# KiCad board Teensy_Grovebox.kicad_pcb (continued)
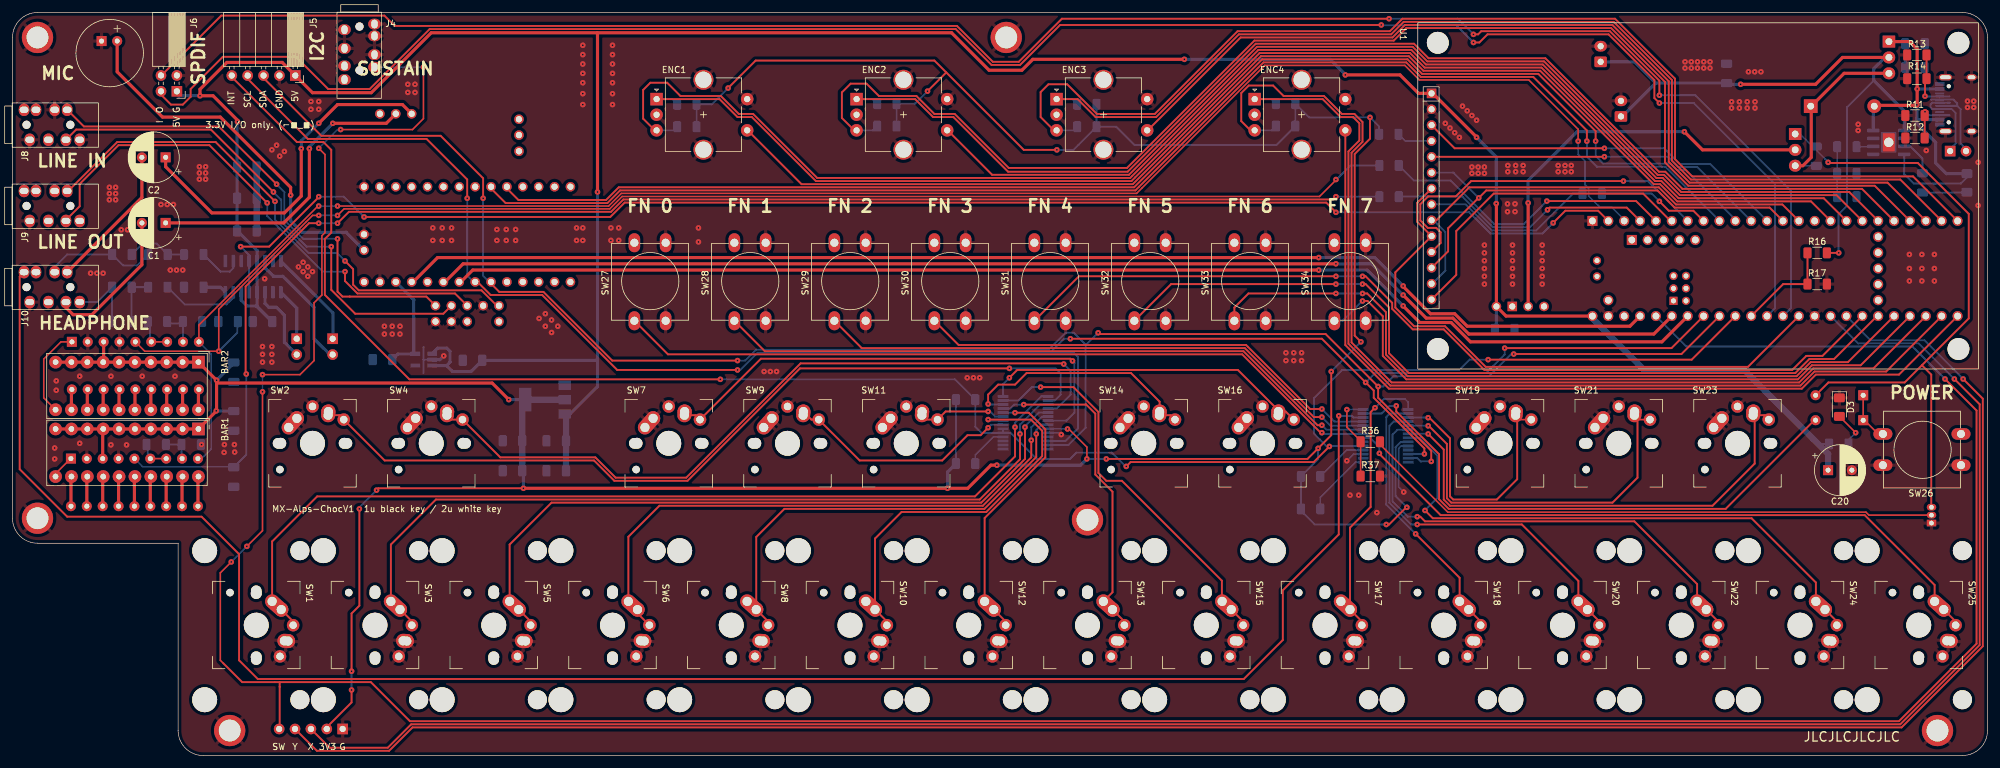
[diagram p0: board, top side]
## Routing (per net, layer and track width the routed paths; a pad name or vN(x,y) marks a point on that pad's centre or on a via; arc(x,y) is an arc through that point) (continued)
Net-(SW7-Pad1): length 79.7
  Top w0.3: v1(169.6,63.2) 169.25,63.55 119.75,63.55 SW7.1 109.3,54.5 SW7.1
  Bottom w0.3: v1(169.6,63.2) 169.9,62.9 169.9,54.9 168.62,53.62 U5.7
Net-(SW8-Pad1): length 71.6
  Top w0.3: v1(163.8,51.5) 163.8,47.8 155.5,39.5 123.5,39.5 119,35 SW8.1 120.9,21.47 SW8.1
  Bottom w0.3: v1(163.8,51.5) 163.8,52.1 164.68,52.97 U5.8
Net-(SW9-Pad1): length 37.6
  Top w0.3: v1(156.1,52.5) 154.9,51.3 152.8,51.3 148.75,47.25 135.55,47.25 SW9.1 127.82,53.8 SW9.1
  Bottom w0.3: v1(156.1,52.5) 156.57,52.97 U5.21
Net-(SW10-Pad1): length 62.8
  Top w0.3: v1(156.1,53.8) 162.95,53.8 164.75,52 164.75,47.95 155.8,39 142.25,39 138,34.75 SW10.1 139.9,21.47 SW10.1
  Bottom w0.3: U5.22 156.28,53.62 v1(156.1,53.8)
Net-(SW11-Pad1): length 14.2
  Top w0.3: v1(156.1,55.1) 149.3,55.1 SW11.1 146.2,53.8 SW11.1
  Bottom w0.3: U5.23 157.22,54.28 156.4,55.1 v1(156.1,55.1)
Net-(SW12-Pad1): length 42.7
  Top w0.3: SW12.1 158.9,21.47 SW12.1 ; SW12.1 155.54,38.03 165.25,47.74 165.25,52.25 162.6,54.9 v1(160.4,54.9)
  Bottom w0.3: v1(160.4,54.9) 158.53,54.9 U5.24
Net-(SW13-Pad1): length 50.7
  Top w0.3: SW13.1 176,26.14 176,42.25 173.25,45 173.25,54.75 171.75,56.25 171.7,56.2 v1(161.8,56.2) ; SW13.1 177.9,21.47 SW13.1
  Bottom w0.3: U5.25 159.65,55.57 160.27,56.2 v1(161.8,56.2)
Net-(SW14-Pad1): length 39.1
  Top w0.3: v1(156.1,56.3) 156.1,57.8 157.7,59.4 160.4,59.4 162.25,61.25 178.96,61.25 183.54,56.67 SW14.1 ; SW14.1 185.3,54.5 SW14.1
  Bottom w0.3: 158.5,56.22 156.18,56.22 v1(156.1,56.3)
Net-(SW15-Pad1): length 62.1
  Top w0.3: 193.54,25.71 SW15.1 193.54,25.67 193.5,25.71 193.5,28 177.5,44 175,44 173.75,45.25 173.75,55 169.75,59 v1(164.5,59) ; SW15.1 196.9,21.47 SW15.1
  Bottom w0.3: U5.27 160.97,56.88 163.1,59 v1(164.5,59)
Net-(SW16-Pad1): length 53.4
  Top w0.3: SW16.1 202.5,55.31 196.06,61.75 160.75,61.75 v1(159.5,60.5) ; SW16.1 203.72,55.08 SW16.1
  Bottom w0.3: U5.28 158.5,59.5 v1(159.5,60.5)
Net-(SW17-Pad1): length 44.5
  Top w0.3: v1(218,55.7) 217.3,55 217.3,39.8 214,36.5 SW17.1 215.9,21.47 SW17.1
  Bottom w0.25: v1(218,55.7) 219.4,57.1 222.8,57.1 223.3,56.6 U4.1
Net-(SW18-Pad1): length 41.4
  Top w0.3: v1(224.5,35.5) 231.54,28.46 SW18.1 ; SW18.1 234.9,21.47 SW18.1
  Bottom w0.3: v1(224.5,35.5) 219.8,40.2 219.8,54.2 220.38,54.78 223.3,54.78
Net-(SW19-Pad1): length 42.8
  Top w0.25: SW19.1 241.2,53.8 SW19.1
  Top w0.3: v1(226.5,54.1) 226.7,54.1 230,50.8 230,41.5 230.5,41 237.5,41 240.75,44.25 240.75,54.25 SW19.1
  Bottom w0.3: U4.3 226.48,54.12 v1(226.5,54.1)
Net-(SW20-Pad1): length 57.6
  Top w0.3: SW20.1 250.54,27.96 241.5,37 224.75,37 v1(224.75,37) ; SW20.1 253.9,21.47 SW20.1
  Bottom w0.3: v1(224.75,37) 223.79,37 220.3,40.49 220.3,52.8 220.98,53.47 U4.4
Net-(SW21-Pad1): length 61.6
  Top w0.25: SW21.1 260.2,53.8 SW21.1
  Top w0.3: v1(226.5,52.8) 226.6,52.8 229.5,49.9 229.5,41.21 230.21,40.5 256,40.5 260,44.5 260,54 SW21.1
  Bottom w0.3: U4.5 226.48,52.82 v1(226.5,52.8)
Net-(SW22-Pad1): length 73.8
  Top w0.3: SW22.1 272.9,21.47 SW22.1 ; v1(224.75,38.25) 225.25,38.25 226,37.5 259.5,37.5 269.54,27.46 SW22.1
  Bottom w0.3: v1(224.75,38.25) 223.25,38.25 220.8,40.7 220.8,51.4 221.57,52.18 223.3,52.18
Net-(SW23-Pad1): length 78.3
  Top w0.3: v1(226.5,51.5) 229,49 229,41 230,40 272,40 278.75,46.75 278.75,54.25 SW23.1 280.3,54.5 SW23.1
  Bottom w0.3: U4.7 226.48,51.53 v1(226.5,51.5)
Net-(SW24-Pad1): length 89.1
  Top w0.3: v1(226,39.25) 227.25,38 278.25,38 288.54,27.71 SW24.1 ; SW24.1 291.9,21.47 SW24.1
  Bottom w0.3: U4.8 225.12,50.88 228,48 228,41.25 v1(226,39.25)
Net-(SW25-Pad1): length 107.8
  Top w0.3: SW25.1 307.54,27.31 296.35,38.5 228.5,38.5 218.7,48.3 v1(218.7,48.4) ; SW25.1 310.9,21.47 SW25.1
  Bottom w0.3: v1(218.7,48.4) 218.7,49.42 217.25,50.88 U4.21
Net-(U1-Pad3): length 60
  Top w0.3: v1(254.7,97.25) 230.75,97.25 227.05,100.95 U1.3
  Bottom w0.3: v1(254.7,97.25) 264.25,97.25 266.75,94.75 271.6,94.75 U3.12
Net-(U1-Pad5): length 55.4
  Top w0.3: U1.5 254.69,95.88 v1(254.7,95.9)
  Bottom w0.3: v1(254.7,95.9) 264.85,95.9 266.5,94.25 269.56,94.25 U3.11
Net-(U1-Pad10): length 95.2
  Top w0.3: U1.7 224.75,88.5 224.75,85.49 U1.10 221.25,77.38 221.25,71.75 224.25,68.75 229.21,68.75 235.71,62.25 277.68,62.25 U3.35
Net-(U1-Pad11): length 57.4
  Top w0.3: v1(257.75,92) 233.39,92 230.94,89.55 226.5,89.55 225.25,88.3 225.25,85.69 226.44,84.5 227.8,84.5 228.5,83.8 228.5,82.09 U1.11
  Bottom w0.3: U3.7 261.65,92 v1(257.75,92)
Net-(U1-Pad12): length 74.8
  Top w0.3: U1.12 229.7,80.75 229.7,84.45 234.55,89.3 v1(234.6,89.3) 235.8,90.5 263.2,90.5 265.95,87.75 281.14,87.75 U3.13
  Bottom w0.3: U1.6 230.56,93.34 v1(234.6,89.3)
Net-(U1-Pad13): length 75.4
  Top w0.3: U1.9 227.82,85.72 233.09,91 263.41,91 266.16,88.25 283.18,88.25 U3.14
  Bottom w0.3: U1.9 227.38,85.72 229.25,83.85 229.25,77.65 227.17,75.56 U1.13
Net-(U1-Pad14): length 51.4
  Top w0.3: U1.14 231,76.97 231,84 237,90 260.9,90 265.28,85.62 U3.6
Net-(U2-Pad9): length 219.8
  Top w0.3: v1(251.9,98.4) 251.9,100.1 243.33,108.67 225.33,108.67 223,111 200.16,111 180.25,91.09 179.66,90.5 97.21,90.5 95.18,88.47 78.9,88.47 76.55,90.83
  Bottom w0.3: v1(251.9,98.4) 251.9,95.9 253.5,94.3 264.43,94.3 U3.9
Net-(U2-Pad10): length 219.9
  Top w0.3: v1(253.3,98.4) 253.3,100 244.13,109.17 225.53,109.17 223.2,111.5 199.95,111.5 179.45,91 97,91 94.97,88.97 80.94,88.97 79.09,90.83
  Bottom w0.3: U3.10 275.65,85.85 267.75,93.75 266.29,93.75 265.24,94.8 254.5,94.8 253.3,96 v1(253.3,98.4)
Net-(U2-Pad24): length 203.9
  Top w0.5: v1(209,77.75) 73.64,77.75 71.47,75.59 ; v1(222.5,72) 225.15,69.35 230.17,69.35 233.27,66.25 263.9,66.25 U3.42
  Bottom w0.5: v1(209,77.75) 216.75,77.75 v1(222.5,72)
Net-(U2-Pad25): length 203.7
  Top w0.5: U3.43 262.61,67.5 233.01,67.5 230.46,70.05 226.2,70.05 v1(222.5,73.75) ; 68.93,75.59 72.1,78.75 v1(211.75,78.75)
  Bottom w0.5: v1(211.75,78.75) 217.45,78.75 222.45,73.75 v1(222.5,73.75)
Net-(U2-Pad27): length 203.6
  Top w0.5: v1(209,79.75) 68.02,79.75 63.85,75.59 ; U3.45 258.78,68.75 232.75,68.75 230.75,70.75 226.88,70.75 222.5,75.12 v1(222.5,75.2)
  Bottom w0.5: v1(222.5,75.2) 217.95,79.75 v1(209,79.75)

## Copper pours and planes (outline as drawn; the poured copper is in the pictures)
GND on Top: 327.25,-13 -11.25,-9 -4,126.25 -4.75,128 328.25,130.75
GND on Top: 301.95,96.05 298.45,96.2 298.25,96.25 298.3,100.55 301.8,100.55
GND on Bottom: 323.25,-9.5 -7.75,-6.5 -3.5,120 -2.25,121.25 323.5,124.5

## Text on the board
B.Silkscreen: 3.3V I/O only. (⌐■_■) | SW | Y | X | + | - | 3V3 | G | Ground tip to sustain. | BATT1+ | BATT2+ | MX-Alps-ChocV1  1u black key / 2u white key | OUT | IN | GND | 5V | INT | SCL | SDA | Jerry (＠_＠ ) | Rev 1.0 | Teensy Grovebox PCB
F.Silkscreen: G | 5V | INT | SCL | 3.3V I/O only. (⌐■_■) | SW | Y | X | 3V3 | MX-Alps-ChocV1  1u black key / 2u white key | O | I | SDA | GND | JLCJLCJLCJLC | LINE IN | LINE OUT | HEADPHONE | FN 0 | FN 1 | FN 2 | FN 3 | FN 4 | FN 5 | FN 6 | FN 7 | POWER | SPDIF | I2C
